# Altium PCB volt_sensor_breakout.PcbDoc (part 1 of 2)
Units mil, origin at the board's own origin, x right, y up, seen from the top; angles counter-clockwise.
Board outline 9380 x 6000 mil, 2 copper layers (Top Layer, Bottom Layer); 277 components, 136 nets, 760 pads, 123 vias.
Unrouted connection lines stored in the file: 91.
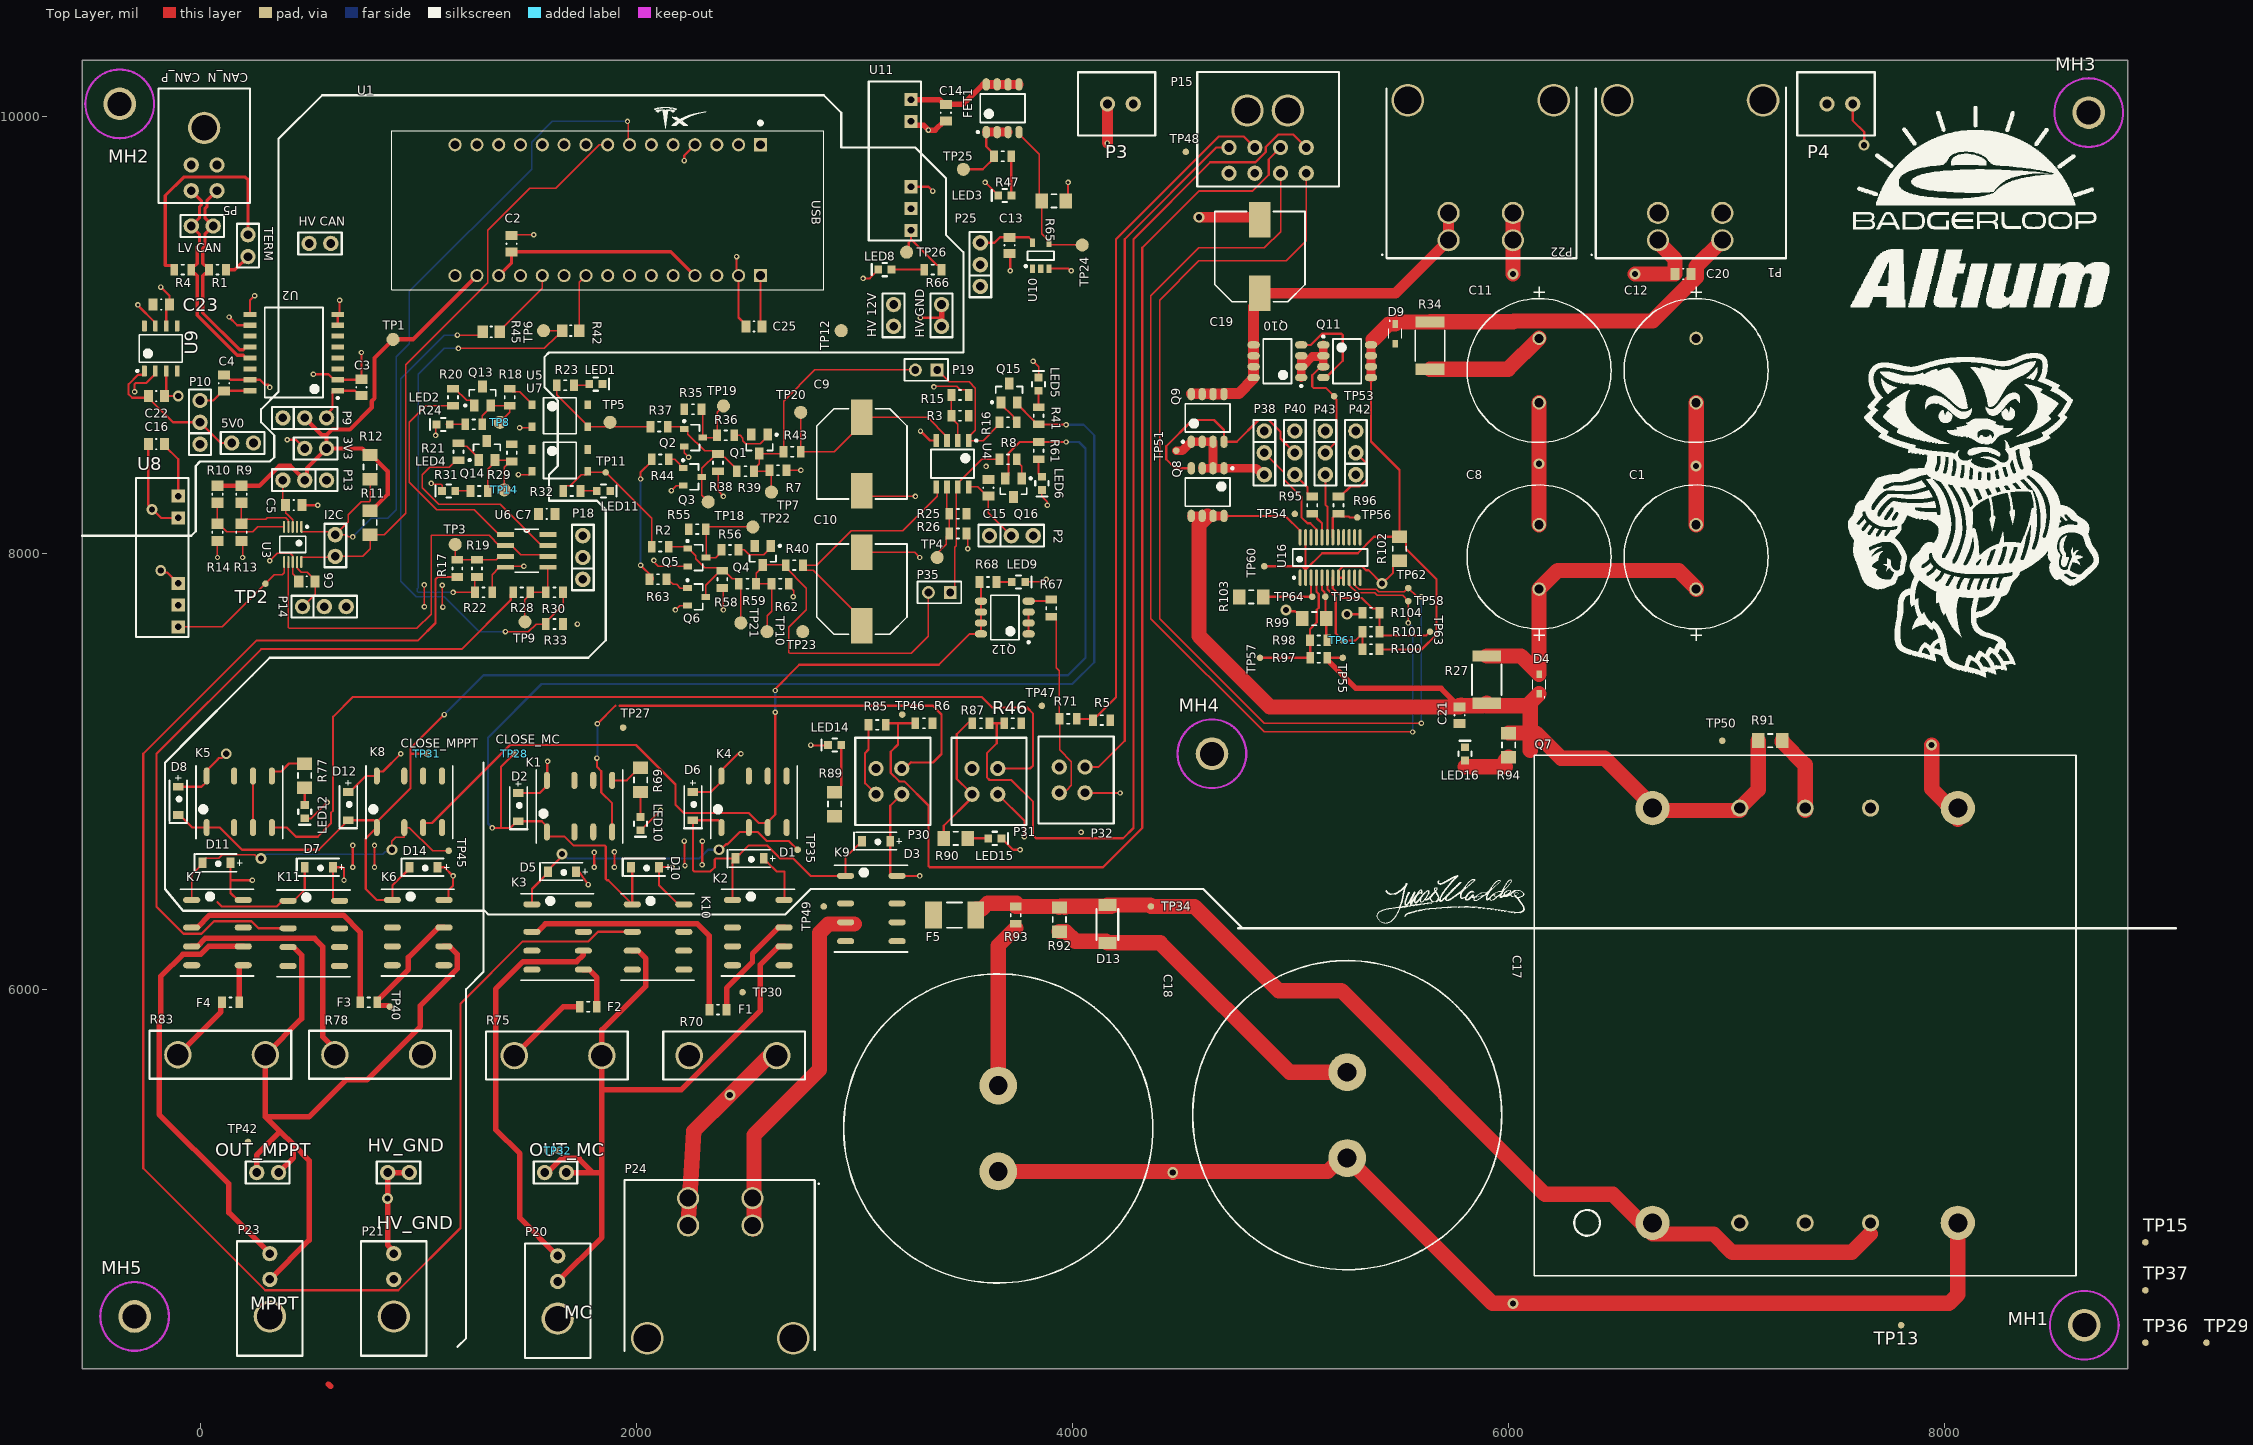
[diagram p0: Top Layer view]
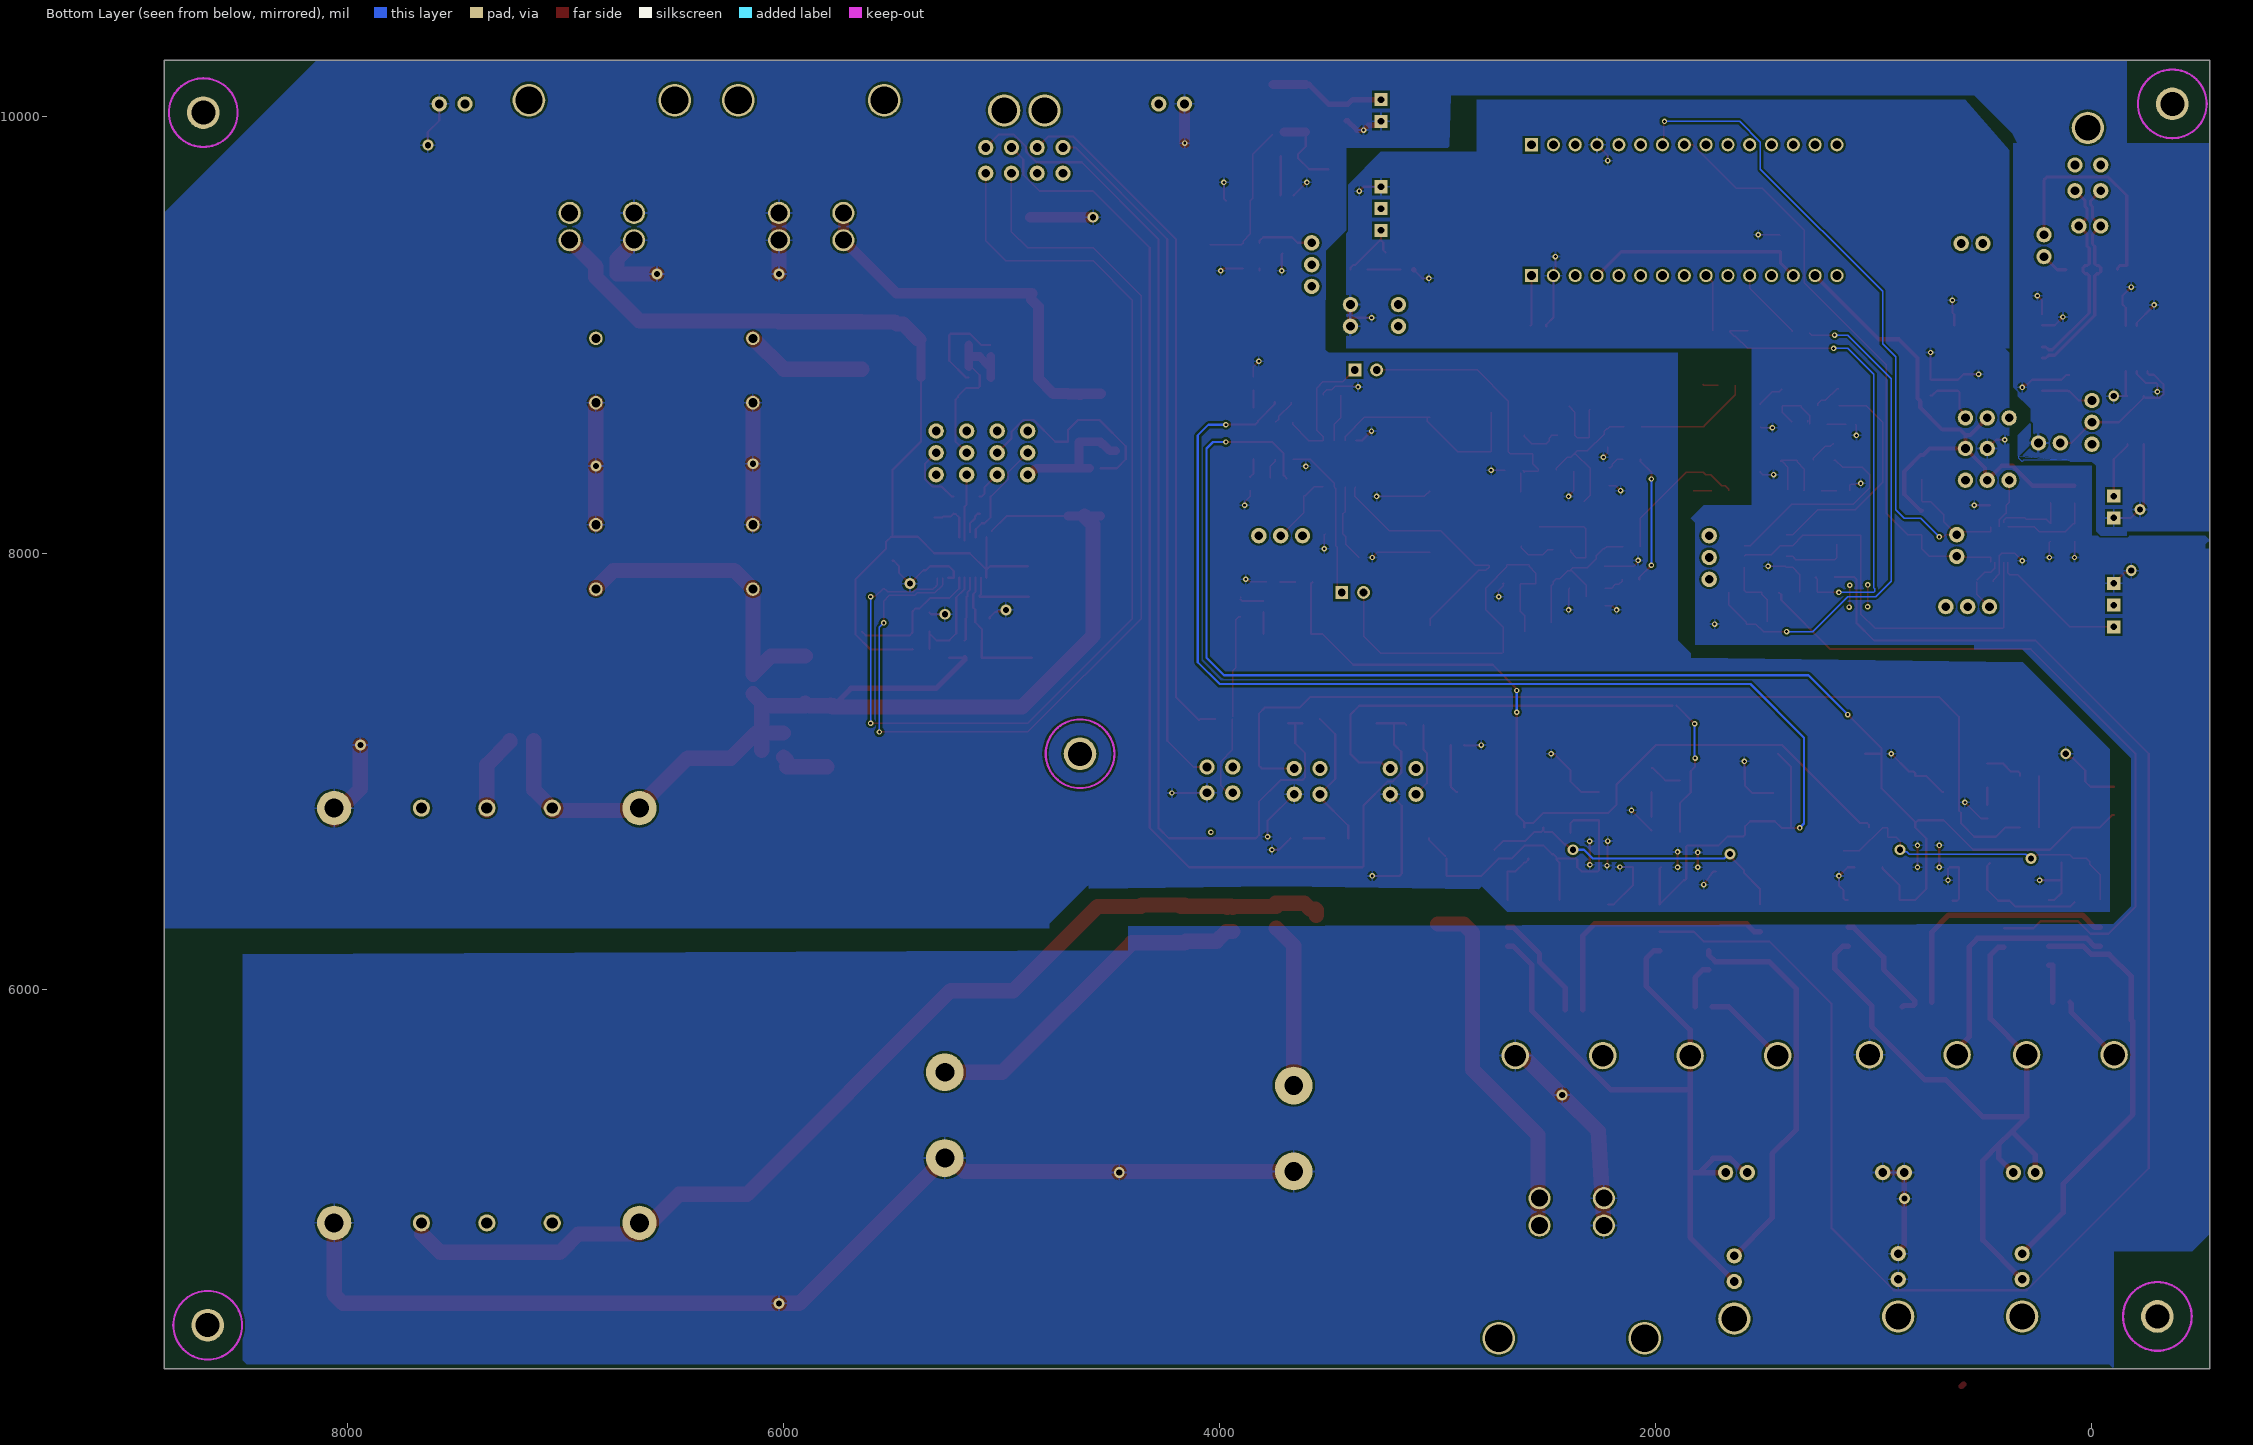
[diagram p1: Bottom Layer view, seen from below]
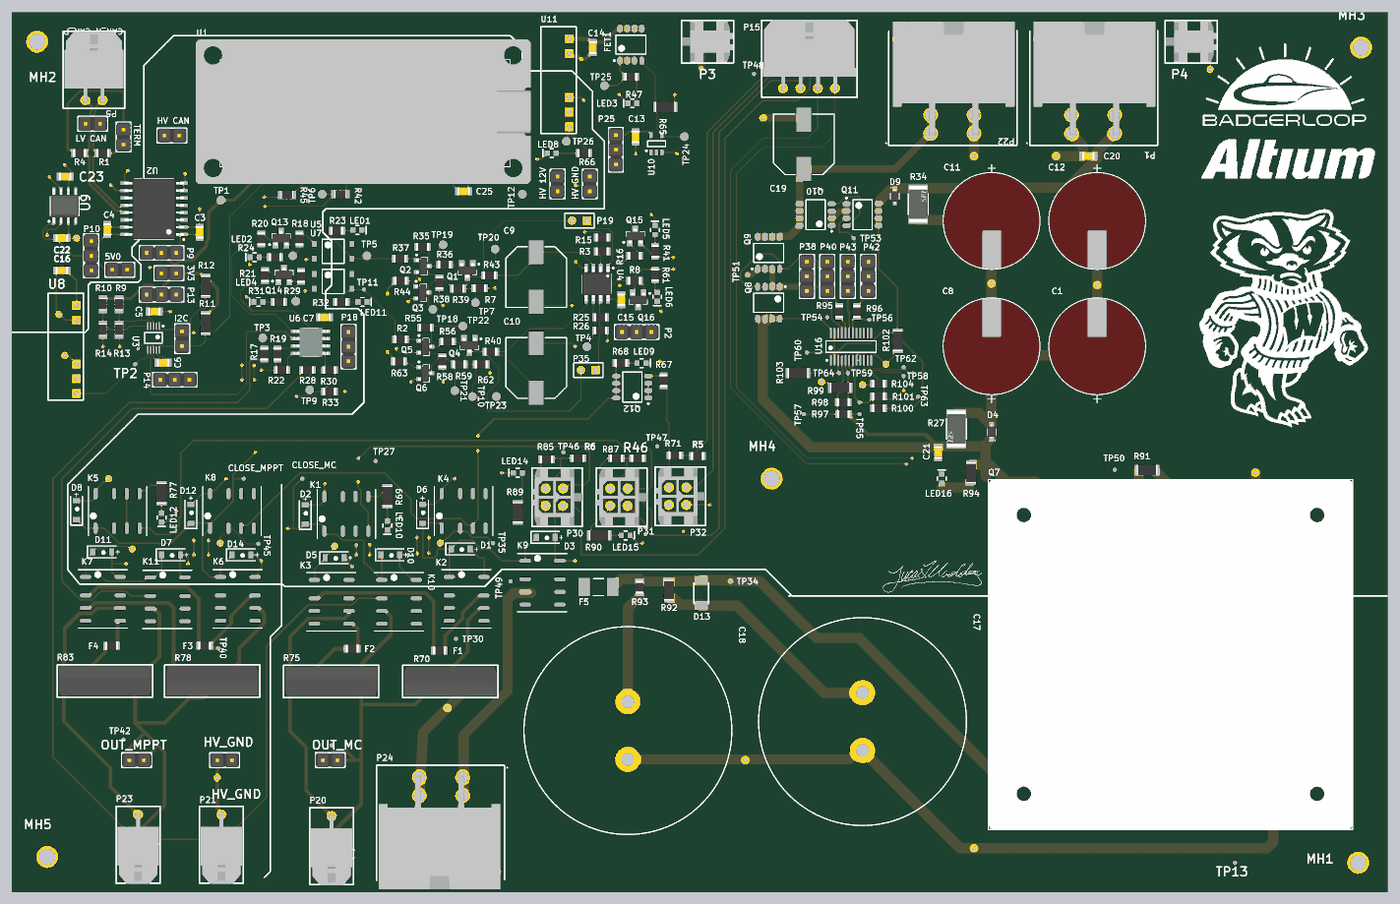
[diagram p3: 3D render of the assembled board from above, using the file's embedded part models]

## Layer stack, top to bottom
Top Solder: solder mask 0.4, Solder Resist, Dk 3.5
Top Layer: signal copper 1.4
Dielectric 1: dielectric 12.6, FR-4, Dk 4.8
Bottom Layer: signal copper 1.4
Bottom Solder: solder mask 0.4, Solder Resist, Dk 3.5

## Board outline
-540,4260 8840,4260 8840,10260 -540,10260

## Design rules (kind name [scope] priority, off if disabled: settings)
Clearance [All] p1: gap=10 ignorepadtopadclearanceinfootprint=FALSE except(0: Arc-Hole Track-Hole SMDPad-Hole THPad-Hole Via-Hole Fill-Hole Poly-Hole Region-Hole Text-Hole; 7.5: SMDPad-SMDPad)
DiffPairsRouting [All] p1: maxlimit=10 minlimit=10 mostfreqgap=10 toplayer_minwidth=15 toplayer_maxwidth=15 toplayer_prefwidth=15 bottomlayer_minwidth=15 bottomlayer_maxwidth=15 bottomlayer_prefwidth=15 maxuncoupledlength=500
Height [All] p1: minheight=0 maxheight=2000 prefheight=500
Height Height_1 [All] p2: minheight=0 maxheight=1000 prefheight=500
HoleSize [All] p1: absolutevalues=TRUE maxlimit=150 minlimit=1 maxpercent=80.000 minpercent=20.000
PolygonConnect [All] p1: connectstyle=Relief reliefconductorwidth=10 reliefentries=4 polygonreliefangle="90 Angle" airgapwidth=10
RoomDefinition main_power_switch [InComponentClass('main_power_switch')] p1: confinementstyle=ConfineIn formatcopy=TRUE lockcomponents=FALSE outline 2800,7360 2800,6492.35 4400,6492.35 4400,7360
RoomDefinition motor_controller_relays [InComponentClass('motor_controller_relays')] p2: confinementstyle=ConfineIn formatcopy=TRUE lockcomponents=FALSE outline 2841.56,4220 2841.56,7288.88 1236.56,7288.88 1236.56,4220
RoomDefinition digital [InComponentClass('digital') vs False] p3: confinementstyle=ConfineIn formatcopy=TRUE lockcomponents=FALSE outline -320,10240 -320,7520 854.69,7520 854.69,8734.88 977.58,8874.71 3010,8874.71 3010,10240
RoomDefinition powerpath_controller [InComponentClass('powerpath_controller')] p4: confinementstyle=ConfineIn formatcopy=TRUE lockcomponents=FALSE outline 7735.89,7000 7735.89,10240 4140,10240 4140,7000
RoomDefinition dc_dc_converter [InComponentClass('dc_dc_converter')] p5: confinementstyle=ConfineIn formatcopy=TRUE lockcomponents=FALSE outline 1860,4240 8700,4240 8700,7240 1860,7240
RoomDefinition "12V dc-dc converter" [InComponentClass('12V dc-dc converter')] p6: confinementstyle=ConfineIn formatcopy=TRUE lockcomponents=FALSE outline 4400,8960 3030.51,8960 3030.51,10233 4400,10233
RoomDefinition latch [InComponentClass('latch') vs False] p7: confinementstyle=ConfineIn formatcopy=TRUE lockcomponents=FALSE outline 3985.01,7500 3985.01,8920 1979.37,8920 1979.37,7500
RoomDefinition mppt_relays [InComponentClass('mppt_relays')] p8: confinementstyle=ConfineIn formatcopy=TRUE lockcomponents=FALSE outline 1225,4280 1225,7115 -415,7115 -415,4280
RoomDefinition connectors [InComponentClass('connectors')] p9: confinementstyle=ConfineIn formatcopy=TRUE lockcomponents=FALSE outline 5332.51,9640 5332.51,10220 4412.51,10220 4412.51,9640
RoomDefinition inverter [InComponentClass('inverter')] p10: confinementstyle=ConfineIn formatcopy=TRUE lockcomponents=FALSE outline 3967.93,7987.82 3517.93,7987.82 3517.93,7532.82 3967.93,7532.82
RoomDefinition voltage_sense [InComponentClass('voltage_sense')] p11: confinementstyle=ConfineIn formatcopy=TRUE lockcomponents=FALSE outline 960,8750.76 960,7555 1930,7555 1930,8860 1045.25,8860
RoutingVias [All] p1: holewidth=13 width=25 viastyle="Through Hole" minholewidth=13 minwidth=25 maxholewidth=28 maxwidth=50
SilkToSilkClearance [All] p1 off: silktosilkclearance=10
SilkToSolderMaskClearance [IsPad] p1 off: minsilkscreentomaskgap=10 clearancetoexposedcopper=TRUE
SolderMaskExpansion [All] p1: expansion=4 istentingtop=FALSE
Width [All] p1: maxlimit=100 minlimit=6 preferedwidth=6 bottomlayer_maxwidth=10 minimp=50.000000 maximp=50.000000 favimp=50.000000
25 further rules are at their usual default settings.

## Classes and differential pairs
component class powerpath_controller: C1 C8 C11 C12 C19 C20 C21 D4 D9 P1 P4 P22 P38 P40 P42 P43 Q8 Q9 Q10 Q11 R27 R34 R95 R96 R97 R98 R99 R100 R101 R102 R103 R104 TP51 TP53 TP54 TP55 TP56 TP57 TP58 TP59 TP60 TP61 TP62 TP63 TP64 U16
component class mppt_relays: D7 D8 D11 D12 D14 F3 F4 HV_GND K5 K6 K7 K8 K11 LED12 OUT_MPPT P21 P23 R77 R78 R83 TP31 TP37 TP40 TP42 TP45
component class motor_controller_relays: D1 D2 D5 D6 D10 F1 F2 K1 K2 K3 K4 K10 LED10 OUT_MC P20 R69 R70 R75 TP27 TP28 TP29 TP30 TP32 TP35 TP36
component class main_power_switch: LED14 LED15 P30 P31 P32 R5 R6 R46 R71 R85 R87 R89 R90 TP46 TP47 TP48
component class dc_dc_converter: C17 C18 D3 D13 F5 K9 LED16 P24 Q7 R91 R92 R93 R94 TP34 TP49 TP50
component class digital: 3V3 5V0 C2 C3 C4 C5 C6 C16 C22 C23 C25 "HV CAN" I2C "LV CAN" P5 P9 P10 P13 P14 R1 R4 R9 R10 R11 R12 R13 R14 R42 R45 TERM TP1 TP2 TP6 TP12 U1 U2 U3 U8 U9
component class inverter: LED9 Q12 R67 R68
component class "12V dc-dc converter": C13 C14 FET1 "HV 12V" "HV GND" LED3 LED8 P3 P25 R47 R65 R66 TP24 TP25 TP26 U10 U11
component class latch: C9 C10 C15 LED5 LED6 P2 P19 P35 Q1 Q2 Q3 Q4 Q5 Q6 Q15 Q16 R2 R3 R7 R8 R15 R16 R25 R26 R35 R36 R37 R38 R39 R40 R41 R43 R44 R55 R56 R58 R59 R61 R62 R63 TP4 TP7 TP10 TP18 TP19 TP20 TP21 TP22 TP23 U4
component class voltage_sense: C7 LED1 LED2 LED4 LED11 P18 Q13 Q14 R17 R18 R19 R20 R21 R22 R23 R24 R28 R29 R30 R31 R32 R33 TP3 TP5 TP8 TP9 TP11 TP13 TP14 TP15 U5 U6 U7
component class connectors: MH1 MH2 MH3 MH4 MH5 P15
differential pair COMM: +COMM_P -COMM_N
differential pair CAN: +CAN_P -CAN_N

## Components (designator, comment, footprint, x,y, rotation, side; value= is the part's Value field where it differs from the comment)
3V3 "Header 2" "Pin Header 1x2 TH Pitch 2.54mm" 480,8480 r0 top
5V0 "Header 2" "Pin Header 1x2 TH Pitch 2.54mm" 245,8505 r180 top
C1 "35YXJ2200M16X25" 35YXJ2200M16X25-Footprint-1 6860,7980 r90 top
C2 "GCM21BR71A106KE22L" SMD-0805C 1428.39,9419.02 r90 top value=10µF
C3 "GCM21BR71A106KE22L" SMD-0805C 740,8760 r90 top value=10µF
C4 "GCM21BR71A106KE22L" SMD-0805C 110,8780 r90 top value=10µF
C5 "GCM21BR71A106KE22L" SMD-0805C 430,8220 r0 top value=10µF
C6 "GCM21BR71A106KE22L" SMD-0805C 490,7870 r180 top value=10µF
C7 "GCM21BR71A106KE22L" SMD-0805C 1590,8180 r0 top value=10µF
C8 "35YXJ2200M16X25" 35YXJ2200M16X25-Footprint-1 6140,7980 r90 top
C9 "GYB1E331MCW1GS" CAPAE110103X110N 3035,8455 r270 top
C10 "GYB1E331MCW1GS" CAPAE110103X110N 3035,7835 r90 top
C11 "35YXJ2200M16X25" 35YXJ2200M16X25-Footprint-1 6140,8840 r270 top
C12 "35YXJ2200M16X25" 35YXJ2200M16X25-Footprint-1 6860,8840 r270 top
C13 "GCM21BR71A106KE22L" SMD-0805C 3712,9411 r90 top value=10µF
C14 "GCM21BR71A106KE22L" SMD-0805C 3420,10020 r270 top value=10µF
C15 "GCM21BR71A106KE22L" SMD-0805C 3615,8300 r90 top value=10µF
C16 "GCM21BR71A106KE22L" SMD-0805C -200,8500 r180 top value=10µF
C17 "1000" ALA7DA241DE600 5260,5620 r270 top
C18 "ALA7DA241DE600" ALA7DA241DE600 3660,5558.74 r270 top
C19 "GYB1E331MCW1GS" CAPAE110103X110N 4860,9360 r90 top
C20 "0.10µF" SMD-0805C 6800,9280 r180 top
C21 "0.10µF" SMD-0805C 5775.82,7257.4 r270 top
C22 "0.1uF" SMD-0805C -200,8720 r0 top
C23 "0.33µF" SMD-0805C -177.4,9140 r0 top
C25 "GCM21BR71A106KE22L" SMD-0805C 2540,9040 r180 top value=10µF
D1 "MBR0520L-TP" "MBR0520LT1G - SOD123" 2520,6600 r180 top
D2 "MBR0520L-TP" "MBR0520LT1G - SOD123" 1460,6835.43 r270 top
D3 "MBR0520L-TP" "MBR0520LT1G - SOD123" 3100,6680 r180 top
D4 "B140WS-7" SODFL250X110-2N 6140,7400 r270 top
D5 "MBR0520L-TP" "MBR0520LT1G - SOD123" 1660,6540 r180 top
D6 "MBR0520L-TP" "MBR0520LT1G - SOD123" 2260,6840 r270 top
D7 "MBR0520L-TP" "MBR0520LT1G - SOD123" 544.57,6560 r180 top
D8 "MBR0520L-TP" "MBR0520LT1G - SOD123" -100,6864.57 r270 top
D9 "B140WS-7" SODFL250X110-2N 5480,9005.28 r90 top
D10 "MBR0520L-TP" "MBR0520LT1G - SOD123" 2040,6560 r180 top
D11 "MBR0520L-TP" "MBR0520LT1G - SOD123" 75.43,6580 r180 top
D12 "MBR0520L-TP" "MBR0520LT1G - SOD123" 680,6840 r270 top
D13 "PU3DFSH" PU3DFSH 4160,6300 r90 top
D14 "MBR0520L-TP" "MBR0520LT1G - SOD123" 1024.57,6560 r180 top
F1 "MFU0805FF05000P100" SMD-0805-RES 2374.91,5907.08 r0 top
F2 "MFU0805FF05000P100" SMD-0805-RES 1780,5920 r180 top
F3 "MFU0805FF05000P100" SMD-0805-RES 773.43,5940 r0 top
F4 "MFU0805FF05000P100" SMD-0805-RES 140,5940 r180 top
F5 "0679L9150-05" "0679L9150-05 - fuse smd" 3460,6340 r0 top
FET1 "RS3L110ATTB1" RS3L110AT 3680,10040 r90 top
"HV 12V" "Header 2" "Pin Header 1x2 TH Pitch 2.54mm" 3180,9140 r270 top
"HV CAN" "Header 2" "Pin Header 1x2 TH Pitch 2.54mm" 600,9420 r180 top
"HV GND" "Header 2" "Pin Header 1x2 TH Pitch 2.54mm" 3400,9140 r270 top
HV_GND "Header 2" "Pin Header 1x2 TH Pitch 2.54mm" 960,5160 r180 top
I2C "Header 2" "Pin Header 1x2 TH Pitch 2.54mm" 620,7985 r90 top
K1 "1-1462039-8" "1-1462039-8 - relay" 1740,6840 r90 top
K2 "1-1462039-8" "1-1462039-8 - relay" 2560,6260 r0 top
K3 "1-1462039-8" "1-1462039-8 - relay" 1640,6240 r0 top
K4 "1-1462039-8" "1-1462039-8 - relay" 2540,6860 r90 top
K5 "1-1462039-8" "1-1462039-8 - relay" 180,6860 r90 top
K6 "1-1462039-8" "1-1462039-8 - relay" 1000,6260 r0 top
K7 "1-1462039-8" "1-1462039-8 - relay" 80,6260 r0 top
K8 "1-1462039-8" "1-1462039-8 - relay" 960,6860 r90 top
K9 "1-1462039-8" "1-1462039-8 - relay" 3078.11,6370.39 r0 top
K10 "1-1462039-8" "1-1462039-8 - relay" 2100,6240 r0 top
K11 "1-1462039-8" "1-1462039-8 - relay" 521.89,6256.38 r0 top
LED1 "LED RED" "LED 0603 ORANGE" 1815,8775 r0 top
LED2 "LED RED" "LED 0603 ORANGE" 1115,8590 r180 top
LED3 "LED RED" "LED 0603 ORANGE" 3690.51,9640 r180 top
LED4 "LED RED" "LED 0603 ORANGE" 1140,8285 r180 top
LED5 "MPS_CLOSE_MC" "LED 0603 ORANGE" 3845,8775 r90 top
LED6 "MPS_CLOSE_MPPT" "LED 0603 ORANGE" 3860,8320 r270 top
LED8 "LED RED" "LED 0603 ORANGE" 3140,9300 r180 top
LED9 "LED RED" "LED 0603 ORANGE" 3752.93,7867.82 r0 top
LED10 "LED GREEN 0603" "LED 0603 GREEN" 2020,6760 r270 top
LED11 "LED RED" "LED 0603 ORANGE" 1850,8285 r0 top
LED12 "LED GREEN 0603" "LED 0603 GREEN" 480,6814.48 r270 top
LED14 "LED GREEN 0603" "LED 0603 GREEN" 2909.49,7120 r180 top
LED15 "LED GREEN 0603" "LED 0603 GREEN" 3644.86,6692.35 r0 top
LED16 "LED GREEN 0603" "LED 0603 GREEN" 5800,7080 r90 top
"LV CAN" "Header 2" "Pin Header 1x2 TH Pitch 2.54mm" 60,9500 r180 top
MH1 "Mounting Hole" "Mounting Hole" 8640,4460 r0 top
MH2 "Mounting Hole" "Mounting Hole" -368.49,10060 r0 top
MH3 "Mounting Hole" "Mounting Hole" 8660,10020 r0 top
MH4 "Mounting Hole" "Mounting Hole" 4640,7080 r0 top
MH5 "Mounting Hole" "Mounting Hole" -300,4500 r0 top
OUT_MC "Header 2" "Pin Header 1x2 TH Pitch 2.54mm" 1580,5160 r0 top
OUT_MPPT "Header 2" "Pin Header 1x2 TH Pitch 2.54mm" 360,5160 r180 top
P1 "0431605302" "CONN HDR 2POS 7.50MM" 7167.01,10076.93 r180 top
P2 "Header 3" "Pin Header 1x3 TH Pitch 2.54mm" 3620,8080 r0 top
P3 "43045-0227" 43045-0277 4220,10060 r0 top
P4 "43045-0227" 43045-0277 7519.06,10060 r0 top
P5 "43045-0400" 430450400 19,9950 r180 top
P9 "Header 3" "Pin Header 1x3 TH Pitch 2.54mm" 380,8620 r0 top
P10 "Header 3" "Pin Header 1x3 TH Pitch 2.54mm" 0,8500 r90 top
P13 "Header 3" "Pin Header 1x3 TH Pitch 2.54mm" 580,8335 r180 top
P14 "Header 3" "Pin Header 1x3 TH Pitch 2.54mm" 470,7755 r0 top
P15 "43045-0800" 430450800 4802.51,10030 r180 top
P18 "Header 3" "Pin Header 1x3 TH Pitch 2.54mm" 1755,7880 r90 top
P19 "Header 2" HDR1X2 3380,8840 r180 top
P20 "43045-0200" 430450200 1640,4490 r0 top
P21 "43045-0200" 430450200 888.28,4500 r0 top
P22 "0431605302" "CONN HDR 2POS 7.50MM" 6207.01,10076.93 r180 top
P23 "43045-0200" 430450200 320,4500 r0 top
P24 "0431605302" "CONN HDR 2POS 7.50MM" 2050.98,4400 r0 top
P25 "Header 3" "Pin Header 1x3 TH Pitch 2.54mm" 3578,9223 r90 top
P30 "43045-0427" 430450427 3159.52,6953.62 r270 top
P31 "43045-0427" 430450427 3600,6953.62 r270 top
P32 "43045-0427" 430450427 4000,6960 r270 top
P35 "Header 2" HDR1X2 3440,7820 r180 top
P38 "Header 3" "Pin Header 1x3 TH Pitch 2.54mm" 4880,8560 r270 top
P40 "Header 3" "Pin Header 1x3 TH Pitch 2.54mm" 5020,8560 r270 top
P42 "Header 3" "Pin Header 1x3 TH Pitch 2.54mm" 5300,8360 r90 top
P43 "Header 3" "Pin Header 1x3 TH Pitch 2.54mm" 5160,8560 r270 top
Q1 "MMBT3906" FAIR-SOT23-3_V 2565,8500 r270 top
Q2 "MMBT100" SOTFL103P240X110-3N 2197.32,8464.45 r0 top
Q3 "MMBT100" SOTFL103P240X110-3N 2192.68,8285 r0 top
Q4 "MMBT3906" FAIR-SOT23-3_V 2580,7990 r270 top
Q5 "MMBT100" SOTFL103P240X110-3N 2212.68,7915 r0 top
Q6 "MMBT100" SOTFL103P240X110-3N 2212.32,7734.45 r0 top
Q7 "RPA200H-11012SRUW" RPA200H 7360,5880 r90 top
Q8 "RS3L110ATTB1" RS3L110AT 4620,8280 r270 top
Q9 "RS3L110ATTB1" RS3L110AT 4620,8620 r90 top
Q10 "RS3L110ATTB1" RS3L110AT 4940,8880 r180 top
Q11 "RS3L110ATTB1" RS3L110AT 5260,8880 r0 top
Q12 "RS3L110ATTB1" RS3L110AT 3690.12,7704.88 r180 top
Q13 "BSS138" FAIR-SOT23-3_V 1295,8720 r90 top
Q14 "BSS138" FAIR-SOT23-3_V 1315,8470 r90 top
Q15 "BSS138" FAIR-SOT23-3_V 3710,8735 r90 top
Q16 "BSS138" FAIR-SOT23-3_V 3730,8300 r270 top
R1 "ERJ-6ENF60R4V" SMD-0805-RES 80,9300 r180 top value=60.4
R2 "ERJ-6ENF3601V" SMD-0805-RES 2110,8030 r0 top value=3.6k
R3 "6.65k" SMD-0805-RES 3485,8630 r180 top
R4 "ERJ-6ENF60R4V" SMD-0805-RES -79.37,9300 r0 top value=60.4
R5 "2.55k" SMD-0805-RES 4133.95,7234.44 r0 top
R6 "2.55k" SMD-0805-RES 3319.37,7220 r0 top
R7 "ERJ-P06F1001V" SMD-0805-RES 2715,8465 r180 top value=1k
R8 "ERJ-P06F1001V" SMD-0805-RES 3705,8430 r180 top value=1k
R9 "Resistor 0R +/- 5% 0805 125 mW" RESC2013X60X35ML10T20 190,8270 r90 top value=0
R10 "Resistor 0R +/- 5% 0805 125 mW" RESC2013X60X35ML10T20 80,8270 r90 top value=0
R11 "ERJ-P08J103V" SMD-1206-RES 780,8140 r90 top value=10k
R12 "ERJ-P08J103V" SMD-1206-RES 780,8395 r90 top value=10k
R13 "Resistor 0R +/- 5% 0805 125 mW" RESC2013X60X35ML10T20 190,8095 r90 top value=0
R14 "Resistor 0R +/- 5% 0805 125 mW" RESC2013X60X35ML10T20 80,8095 r90 top value=0
R15 "6.65k" SMD-0805-RES 3485,8725 r0 top
R16 "ERJ-P06F1001V" SMD-0805-RES 3705,8600 r180 top value=1k
R17 "ERJ-6GEYJ752V" SMD-0805-RES 1180,7930 r270 top value=90.9K
R18 "ERJ-P06F1001V" SMD-0805-RES 1420,8715 r90 top value=1k
R19 "ERJ-6GEYJ752V" SMD-0805-RES 1270,7930 r90 top value=7.5k
R20 "10" SMD-0805-RES 1160,8715 r270 top
R21 "10" SMD-0805-RES 1185,8465 r270 top
R22 "ERJ-6GEYJ752V" SMD-0805-RES 1300,7820 r180 top value=2.55K
R23 "ERJ-P06J511V" SMD-0805-RES 1675,8770 r180 top value=510
R24 "ERJ-P06J511V" SMD-0805-RES 1255,8590.37 r0 top value=510
R25 "6.65k" SMD-0805-RES 3475,8180 r180 top
R26 "6.65k" SMD-0805-RES 3475,8090 r0 top
R27 "5.6R" FP-RMCF2512-IPC_C 5900,7420 r270 top
R28 "ERJ-6GEYJ752V" SMD-0805-RES 1475,7820 r180 top value=90.9K
R29 "ERJ-P06F1001V" SMD-0805-RES 1430,8460 r90 top value=1k
R30 "ERJ-6GEYJ752V" SMD-0805-RES 1625,7820 r180 top value=7.5k
R31 "ERJ-P06J511V" SMD-0805-RES 1280,8285 r0 top value=510
R32 "ERJ-P06J511V" SMD-0805-RES 1705,8285 r180 top value=510
R33 "ERJ-6GEYJ752V" SMD-0805-RES 1625,7675 r180 top value=2.55K
R34 "5.6R" FP-RMCF2512-IPC_C 5640,8951.69 r90 top
R35 "ERJ-P06F1001V" SMD-0805-RES 2260,8660 r180 top value=1k
R36 "ERJ-P06F1001V" SMD-0805-RES 2410,8540 r180 top value=1k
R37 "ERJ-6ENF3601V" SMD-0805-RES 2105,8580 r0 top value=3.6k
R38 "ERJ-6ENF3602V" SMD-0805-RES 2375,8415 r90 top value=36k
R39 "ERJ-P06F1001V" SMD-0805-RES 2500.63,8375.82 r180 top value=1k
R40 "ERJ-P06F1001V" SMD-0805-RES 2725,7945 r180 top value=1k
R41 "ERJ-P06J511V" SMD-0805-RES 3845,8630 r270 top value=510
R42 "Resistor 0R +/- 5% 0805 125 mW" RESC2013X60X35ML10T20 1700,9020 r0 top value=0
R43 "ERJ-6ENF3602V" SMD-0805-RES 2650,8380 r180 top value=36k
R44 "ERJ-P06F1001V" SMD-0805-RES 2110,8430 r180 top value=1k
R45 "Resistor 0R +/- 5% 0805 125 mW" RESC2013X60X35ML10T20 1335,9015 r0 top value=0
R46 "2.55k" SMD-0805-RES 3726.47,7220 r0 top
R47 "ERJ-P06J511V" SMD-0805-RES 3680,9820 r180 top value=510
R55 "ERJ-P06F1001V" SMD-0805-RES 2280,8110 r180 top value=1k
R56 "ERJ-P06F1001V" SMD-0805-RES 2430,8015 r180 top value=1k
R58 "ERJ-6ENF3602V" SMD-0805-RES 2395,7880 r90 top value=36k
R59 "ERJ-P06F1001V" SMD-0805-RES 2510,7860 r180 top value=1k